# Altium PCB PCB1.PcbDoc
Units mil, origin at the board's own origin, x right, y up, seen from the top; angles counter-clockwise.
Board outline 5801.29 x 2110 mil, 2 copper layers (Top Layer, Bottom Layer); 139 components, 78 nets, 473 pads, 146 vias.
Unrouted connection lines stored in the file: 4.
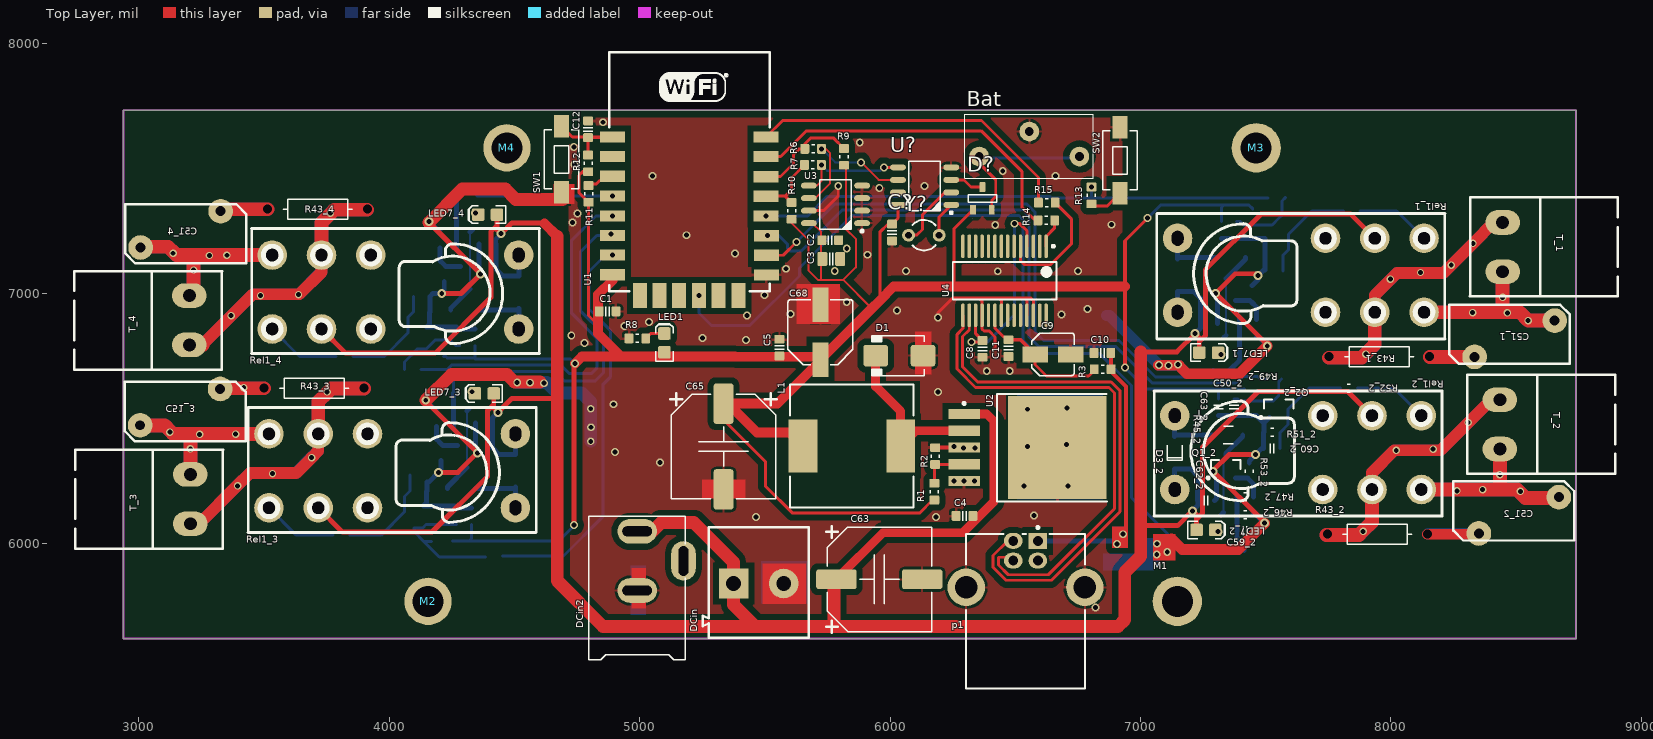
[diagram p0: Top Layer view]
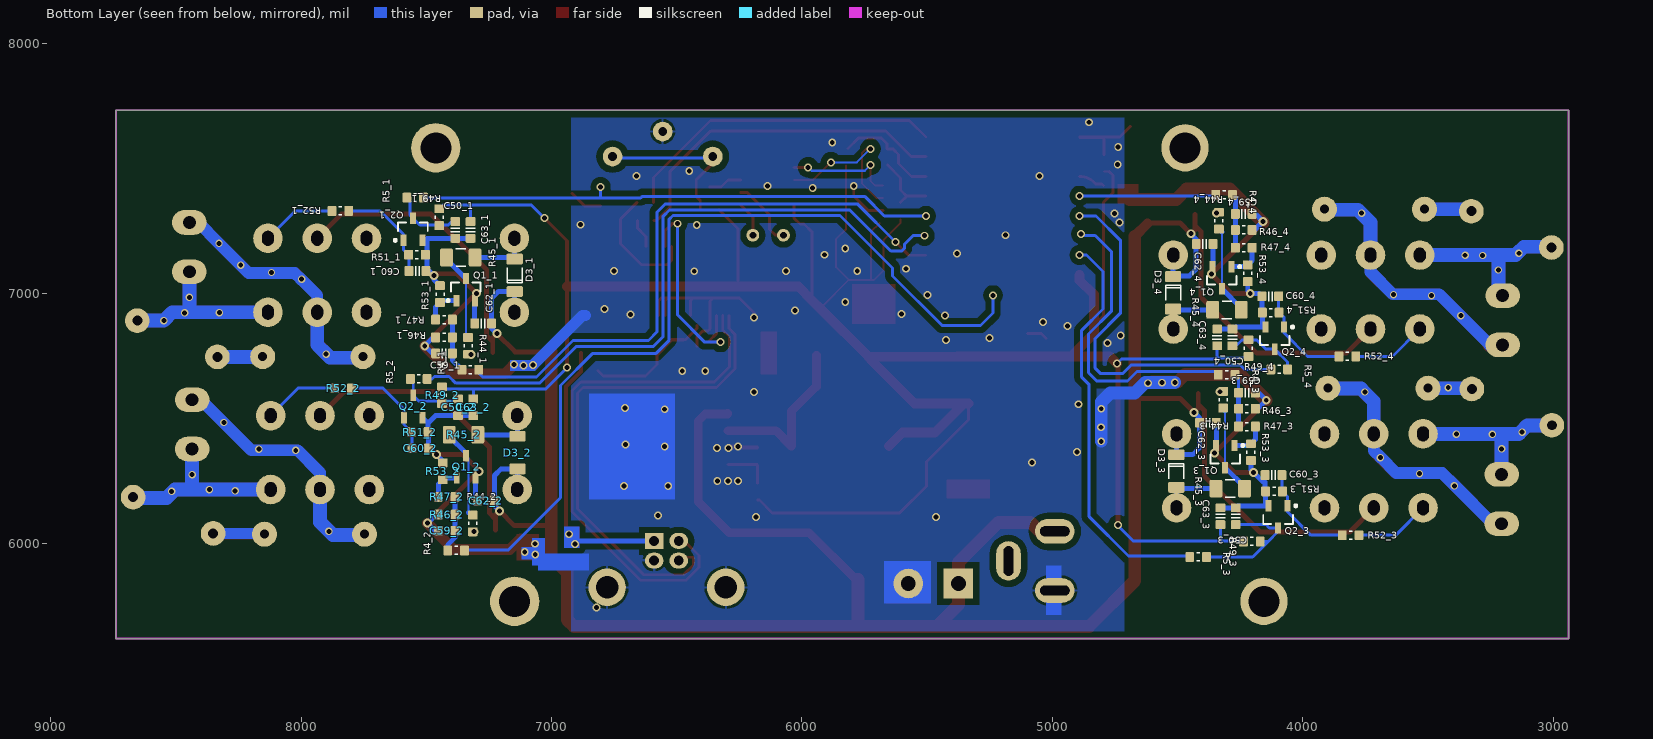
[diagram p1: Bottom Layer view, seen from below]
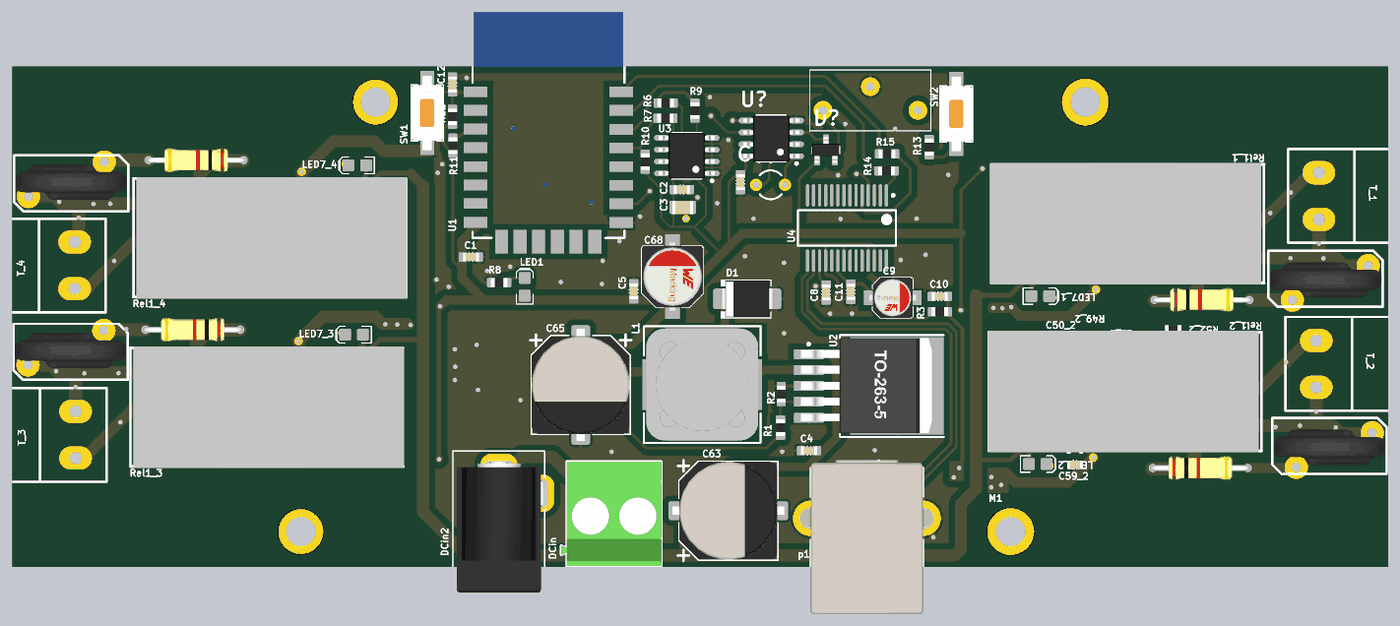
[diagram p2: 3D render of the assembled board from above, using the file's embedded part models]
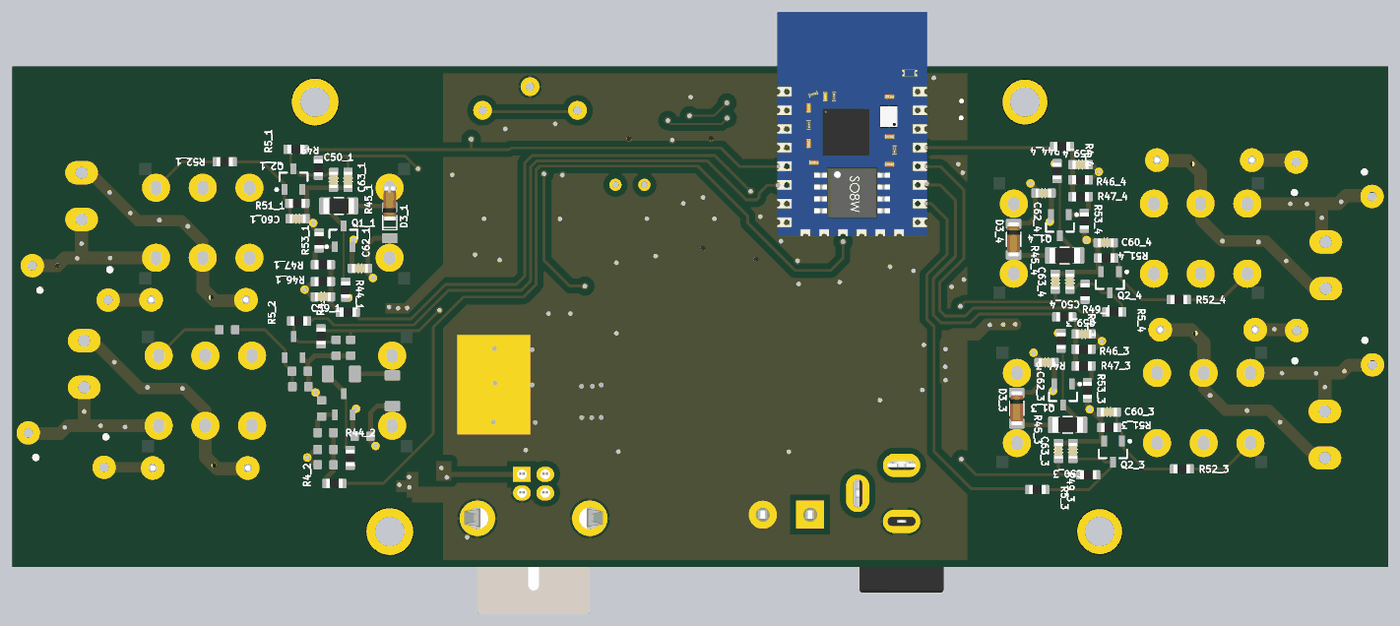
[diagram p3: 3D render of the assembled board from below, using the file's embedded part models]

## Layer stack, top to bottom
Top Solder: solder mask 0.4, Solder Resist, Dk 3.5
Top Layer: signal copper 1.4
Dielectric1: dielectric 12.6, FR-4, Dk 4.8
Bottom Layer: signal copper 1.4
Bottom Solder: solder mask 0.4, Solder Resist, Dk 3.5

## Board outline
2938,7732 8739.29,7732 8739.29,5622 2938,5622

## Design rules (kind name [scope] priority, off if disabled: settings)
Clearance [(InPolygon AND InNet('GND')) vs not InNet('GND')] p1: gap=25
Clearance Clearance_1 [All] p2: gap=10
ComponentClearance [All] p1 off: gap=8 collisioncheckmode=3 verticalgap=8 showdistances=FALSE
DiffPairsRouting [All] p1: maxlimit=10 minlimit=7.01 mostfreqgap=10 toplayer_minwidth=3.94 toplayer_maxwidth=15 toplayer_prefwidth=15 bottomlayer_minwidth=3.94 bottomlayer_maxwidth=15 bottomlayer_prefwidth=15 maxuncoupledlength=500
HoleSize [All] p1: absolutevalues=TRUE maxlimit=1181.1 minlimit=19.68 maxpercent=80.000 minpercent=20.000
Length [InNetClass('RAM')] p1: maxlimit=1472 minlimit=0
MatchedLengths MatchedLengths_1 [All] p1: tolerance=1000 checknetsindiffpair=TRUE checkdiffpairvsdiffpair=FALSE checkothers=FALSE
MatchedLengths [InNetClass('ETH')] p2: tolerance=1181.1 checknetsindiffpair=FALSE checkdiffpairvsdiffpair=TRUE checkothers=TRUE
MinimumSolderMaskSliver [All] p1: minsoldermaskwidth=0
PasteMaskExpansion [All] p1 off: expansion=0
PolygonConnect PolygonConnect_1 [All vs (IsVia OR IsTrack)] p1: connectstyle=Direct reliefconductorwidth=10 reliefentries=4 polygonreliefangle="90 Angle" airgapwidth=10
PolygonConnect [All] p2: connectstyle=Relief reliefconductorwidth=10 reliefentries=4 polygonreliefangle="90 Angle" airgapwidth=10
RoutingVias [All] p1: holewidth=20 width=30 viastyle="Through Hole" minholewidth=19.68 minwidth=30 maxholewidth=393.7 maxwidth=1181.1
SilkToSilkClearance [All] p1: silktosilkclearance=1
SilkToSolderMaskClearance [IsPad] p1: minsilkscreentomaskgap=0 clearancetoexposedcopper=TRUE
SolderMaskExpansion [All] p1 off: expansion=0
Width [All] p1: maxlimit=393.7 minlimit=5.91 preferedwidth=10 minimp=50.000000 maximp=50.000000 favimp=50.000000
22 further rules are at their usual default settings.

## Classes and differential pairs
channel class DO: U_DO1 U_DO2 U_DO3 U_DO4 U_DO5 U_DO6 U_DO7 U_DO8 U_DO9 U_DO10 U_DO11 U_DO12 U_DO13 U_DO14
component class U_DO4: C50_4 C51_4 C59_4 C60_4 C62_4 C63_4 D3_4 LED7_4 Q1_4 Q2_4 R4_4 R5_4 R43_4 R44_4 R45_4 R46_4 R47_4 R49_4 R51_4 R52_4 R53_4 Rel1_4 T_4
component class U_DO3: C50_3 C51_3 C59_3 C60_3 C62_3 C63_3 D3_3 LED7_3 Q1_3 Q2_3 R4_3 R5_3 R43_3 R44_3 R45_3 R46_3 R47_3 R49_3 R51_3 R52_3 R53_3 Rel1_3 T_3
component class U_DO2: C50_2 C51_2 C59_2 C60_2 C62_2 C63_2 D3_2 LED7_2 Q1_2 Q2_2 R4_2 R5_2 R43_2 R44_2 R45_2 R46_2 R47_2 R49_2 R51_2 R52_2 R53_2 Rel1_2 T_2
component class U_DO1: C50_1 C51_1 C59_1 C60_1 C62_1 C63_1 D3_1 LED7_1 Q1_1 Q2_1 R4_1 R5_1 R43_1 R44_1 R45_1 R46_1 R47_1 R49_1 R51_1 R52_1 R53_1 Rel1_1 T_1
component class top: Bat C1 C2 C3 C4 C5 C12 C63 C65 C68 C? D1 D? DCin DCin2 L1 LED1 M1 M2 M3 M4 R1 R2 R6 R7 R8 R9 R10 R11 R12 R13 SW1 SW2 U1 U2 U3 U? Y?
net class DO[1..4]: DO1 DO2 DO3 DO4
net class DOF[1..4]: DOF1 DOF2 DOF3 DOF4
component class U_usb2serial_ft232rl: C8 C9 C10 C11 p1 R3 R14 R15 U4
differential pair USB: +USB_P -USB_N

## Components (designator, comment, footprint, x,y, rotation, side; value= is the part's Value field where it differs from the comment)
Bat "s" bat-stand 6556,7647 r90 top
C1 "100n" CAPC1608X90N 4872,6929 r180 top
C2 "100n" CAPC1608X90N 5761,7213 r180 top
C3 "10u" CAPC2012X135N 5765,7138 r0 top
C4 "100n" CAPC1608X90N 6297,6112 r0 top
C5 "100n" CAPC1608X90N 5558,6784 r270 top
C8 "100n" CAPC1608X90N 6369,6779 r270 top
C9 "10uF" WCAP-PSLP_4x5.5 6650,6757 r180 top
C10 "1n" CAPC1608X90N 6848,6763 r0 top
C11 "100n" CAPC1608X90N 6473,6782 r90 top
C12 "100n" CAPC1608X90N 4794,7656 r270 top
C50_1 "100n" CAPC1608X90N 7384.3,7254 r90 bottom (schematic designator C50)
C50_2 "100n" CAPC1608X90N 7373.3,6546 r90 bottom (schematic designator C50)
C50_3 "100n" CAPC1608X90N 4267.7,6111 r270 bottom (schematic designator C50)
C50_4 "100n" CAPC1608X90N 4280.7,6825 r270 bottom (schematic designator C50)
C51_1 "" CAP14MM 8466.3,6846 r0 top (schematic designator C51)
C51_2 "" CAP14MM 8483.3,6141 r0 top (schematic designator C51)
C51_3 "" CAP14MM 3192.7,6520 r180 top (schematic designator C51)
C51_4 "" CAP14MM 3194.7,7230 r180 top (schematic designator C51)
C59_1 "100n" CAPC1608X90N 7429.3,6761 r180 bottom (schematic designator C59)
C59_2 "100n" CAPC1608X90N 7418.3,6053 r180 bottom (schematic designator C59)
C59_3 "100n" CAPC1608X90N 4222.7,6604 r0 bottom (schematic designator C59)
C59_4 "100n" CAPC1608X90N 4235.7,7318 r0 bottom (schematic designator C59)
C60_1 "100n" CAPC1608X90N 7535.3,7090 r0 bottom (schematic designator C60)
C60_2 "100n" CAPC1608X90N 7524.3,6382 r0 bottom (schematic designator C60)
C60_3 "100n" CAPC1608X90N 4116.7,6275 r180 bottom (schematic designator C60)
C60_4 "100n" CAPC1608X90N 4129.7,6989 r180 bottom (schematic designator C60)
C62_1 "100n" CAPC1608X90N 7273.3,6881 r180 bottom (schematic designator C62)
C62_2 "100n" CAPC1608X90N 7262.3,6173 r180 bottom (schematic designator C62)
C62_3 "100n" CAPC1608X90N 4378.7,6484 r0 bottom (schematic designator C62)
C62_4 "100n" CAPC1608X90N 4391.7,7198 r0 bottom (schematic designator C62)
C63 "470u 25v" CAP_ELEC_SIZE_G 5957,5859 r270 top
C63_1 "100n" CAPC1608X90N 7323.3,7254 r90 bottom (schematic designator C63)
C63_2 "100n" CAPC1608X90N 7312.3,6546 r90 bottom (schematic designator C63)
C63_3 "100n" CAPC1608X90N 4328.7,6111 r270 bottom (schematic designator C63)
C63_4 "100n" CAPC1608X90N 4341.7,6825 r270 bottom (schematic designator C63)
C65 "1000u 16v" CAP_ELEC_SIZE_G 5335,6389 r180 top
C68 "220u 16v" WCAP-PSLP_6.3x7.7 5722,6846 r270 top
C? "100n" CAPC1608X90N 6008,7244 r90 top
D1 "ss34" DO-214AA 6037,6752 r180 top
D3_1 "" "SOD80, LL-34" 7147.3,7073 r90 bottom (schematic designator D3)
D3_2 "" "SOD80, LL-34" 7136.3,6364.91 r90 bottom (schematic designator D3)
D3_3 "" "SOD80, LL-34" 4504.7,6291.09 r270 bottom (schematic designator D3)
D3_4 "" "SOD80, LL-34" 4517.7,7003.09 r270 bottom (schematic designator D3)
D? "Bat54c" SOT23-3 6368.72,7380 r90 top
DCin "Blue Terminal 2" 691253510002 5475,5842 r0 top
DCin2 "CONN_PWR_JACK_2.1x5.5mm" CONN_PWR_JACK_2.1x5.5mm 4990,5511 r180 top
L1 "100u" "WE-PD 1210" 5847,6391 r180 top
LED1 "red" LED-0805-K 5099,6803 r90 top
LED7_1 "LED B" LED-0805-K 7272.3,6764 r0 top (schematic designator LED7)
LED7_2 "LED B" LED-0805-K 7261.3,6056 r0 top (schematic designator LED7)
LED7_3 "LED B" LED-0805-K 4379.7,6601 r180 top (schematic designator LED7)
LED7_4 "LED B" LED-0805-K 4392.7,7315 r180 top (schematic designator LED7)
M1 "Screw" "Board Screw_No Silk"#1 7147.13,5770.98 r0 top
M2 "Screw" "Board Screw_No Silk"#2 4155,5771 r0 top
M3 "Screw" "Board Screw_No Silk"#1 7462.09,7582.01 r0 top
M4 "Screw" "Board Screw_No Silk"#2 4469.96,7582.01 r0 top
p1 "USB Connector" USB2.5-2H4E 6541,5973 r270 top
Q1_1 "" SOT-23_N#1 7342.3,7016 r90 bottom (schematic designator Q1)
Q1_2 "" SOT-23_N#2 7341.14,6308 r90 bottom (schematic designator Q1)
Q1_3 "" SOT-23_N#1 4309.7,6349 r270 bottom (schematic designator Q1)
Q1_4 "" SOT-23_N#1 4322.7,7063 r270 bottom (schematic designator Q1)
Q2_1 "" SOT-23_N#1 7553.3,7257 r90 bottom (schematic designator Q2)
Q2_2 "" SOT-23_N#2 7552.14,6549 r90 bottom (schematic designator Q2)
Q2_3 "" SOT-23_N#1 4098.7,6108 r270 bottom (schematic designator Q2)
Q2_4 "" SOT-23_N#1 4111.7,6822 r270 bottom (schematic designator Q2)
R1 "1.7" RESC1608X55N 6177,6209 r90 top
R2 "1k" RESC1608X55N 6180,6351 r90 top
R3 "FB" RESC1608X55N 6849,6698 r180 top
R4_1 "FB" RESC1608X55N 7324,6696 r0 bottom (schematic designator R4)
R4_2 "FB" RESC1608X55N 7381,5974 r0 bottom (schematic designator R4)
R4_3 "FB" RESC1608X55N 4304,6676 r180 bottom (schematic designator R4)
R4_4 "FB" RESC1608X55N 4314,7394 r180 bottom (schematic designator R4)
R5_1 "FB" RESC1608X55N 7544,7383 r0 bottom (schematic designator R5)
R5_2 "FB" RESC1608X55N 7530,6659 r0 bottom (schematic designator R5)
R5_3 "FB" RESC1608X55N 4418,5948 r180 bottom (schematic designator R5)
R5_4 "FB" RESC1608X55N 4094,6697 r180 bottom (schematic designator R5)
R6 "33" RESC1608X55N 5693,7578 r180 top
R7 "33" RESC1608X55N 5692,7514 r180 top
R8 "330" RESC1608X55N 4991,6821 r0 top
R9 "10K" RESC1608X55N 5816,7546 r270 top
R10 "10K" RESC1608X55N 5607,7330 r270 top
R11 "4.7k" RESC1608X55N 4796,7398 r90 top
R12 "4.7k" RESC1608X55N 4794,7520 r90 top
R13 "330" RESC1608X55N 6804,7392 r90 top
R14 "330" RESC1608X55N 6624,7292 r180 top
R15 "330" RESC1608X55N 6626,7363 r180 top
R43_1 "39" RESTH_AXIAL-0.4 7953.3,6748 r0 top (schematic designator R43)
R43_2 "39" RESTH_AXIAL-0.4 7946.3,6039 r0 top (schematic designator R43)
R43_3 "39" RESTH_AXIAL-0.4 3699.7,6622 r180 top (schematic designator R43)
R43_4 "39" RESTH_AXIAL-0.4 3713.7,7337 r180 top (schematic designator R43)
R44_1 "7.2k" RESC1608X55N 7333.3,6791 r90 bottom (schematic designator R44)
R44_2 "7.2k" RESC1608X55N 7314.3,6082 r90 bottom (schematic designator R44)
R44_3 "7.2k" RESC1608X55N 4317.7,6576 r270 bottom (schematic designator R44)
R44_4 "7.2k" RESC1608X55N 4334.7,7291 r270 bottom (schematic designator R44)
R45_1 "10" RESC3216X70N 7362.3,7144 r0 bottom (schematic designator R45)
R45_2 "10" RESC3216X70N 7351.3,6436 r0 bottom (schematic designator R45)
R45_3 "10" RESC3216X70N 4289.7,6221 r180 bottom (schematic designator R45)
R45_4 "10" RESC3216X70N 4302.7,6935 r180 bottom (schematic designator R45)
R46_1 "4.7k" RESC1608X55N 7429.3,6825 r180 bottom (schematic designator R46)
R46_2 "4.7k" RESC1608X55N 7418.3,6117 r180 bottom (schematic designator R46)
R46_3 "4.7k" RESC1608X55N 4222.7,6540 r0 bottom (schematic designator R46)
R46_4 "4.7k" RESC1608X55N 4235.7,7254 r0 bottom (schematic designator R46)
R47_1 "1k" RESC1608X55N 7429.3,6896 r0 bottom (schematic designator R47)
R47_2 "1k" RESC1608X55N 7418.3,6188 r0 bottom (schematic designator R47)
R47_3 "1k" RESC1608X55N 4222.7,6469 r180 bottom (schematic designator R47)
R47_4 "1k" RESC1608X55N 4235.7,7183 r180 bottom (schematic designator R47)
R49_1 "47k" RESC1608X55N 7448.3,7305 r90 bottom (schematic designator R49)
R49_2 "47k" RESC1608X55N 7437.3,6594 r90 bottom (schematic designator R49)
R49_3 "47k" RESC1608X55N 4203,6010 r0 bottom (schematic designator R49)
R49_4 "47k" RESC1608X55N 4216.7,6782 r270 bottom (schematic designator R49)
R51_1 "47k" RESC1608X55N 7537.3,7155 r0 bottom (schematic designator R51)
R51_2 "47k" RESC1608X55N 7526.3,6447 r0 bottom (schematic designator R51)
R51_3 "47k" RESC1608X55N 4114.7,6210 r180 bottom (schematic designator R51)
R51_4 "47k" RESC1608X55N 4127.7,6924 r180 bottom (schematic designator R51)
R52_1 "10k" RESC1608X55N 7843.3,7330 r180 bottom (schematic designator R52)
R52_2 "10k" RESC1608X55N 7832.3,6622 r180 bottom (schematic designator R52)
R52_3 "10k" RESC1608X55N 3808.7,6035 r0 bottom (schematic designator R52)
R52_4 "10k" RESC1608X55N 3821.7,6749 r0 bottom (schematic designator R52)
R53_1 "47k" RESC1608X55N 7445.3,6998 r270 bottom (schematic designator R53)
R53_2 "47k" RESC1608X55N 7434.3,6290 r270 bottom (schematic designator R53)
R53_3 "47k" RESC1608X55N 4206.7,6367 r90 bottom (schematic designator R53)
R53_4 "47k" RESC1608X55N 4219.7,7081 r90 bottom (schematic designator R53)
Rel1_1 "G2R-2" relay_G2R_2 7640.3,7073 r270 top (schematic designator Rel1)
Rel1_2 "G2R-2" relay_G2R_2 7629.3,6365 r270 top (schematic designator Rel1)
Rel1_3 "G2R-2" relay_G2R_2 4011.7,6292 r90 top (schematic designator Rel1)
Rel1_4 "G2R-2" relay_G2R_2 4024.7,7006 r90 top (schematic designator Rel1)
SW1 "" 434111043826 4688,7536 r270 top
SW2 "" 434111043826 6918,7532 r90 top
T_1 "Phoenix terminal 2 pin" "phoenix terminal 2" 8906.3,6989 r90 top (schematic designator T)
T_2 "Phoenix terminal 2 pin" "phoenix terminal 2" 8895.3,6281 r90 top (schematic designator T)
T_3 "Phoenix terminal 2 pin" "phoenix terminal 2" 2745.7,6376 r270 top (schematic designator T)
T_4 "Phoenix terminal 2 pin" "phoenix terminal 2" 2741.7,7090 r270 top (schematic designator T)
U1 "ESP8266 ESP-12-E" "ESP8266 ESP-12-E" 5196,7420 r0 top
U2 "LM2576" "LM2576 SMd" 6296,6518.93 r270 top
U3 "at24c512" SOIC127P600X175-8AN 5782,7356 r180 top
U4 "FT232RL-Reel" SSOP-28_M 6457,7051 r270 top
U? "DS1307" SOIC127P600X175-8AN 6138,7429 r180 top
Y? "XTAL" R38 6135,7233 r90 top

## Footprints (in the part's own frame and the unit in brackets; to place one, negate y for a bottom-side part, rotate by r counter-clockwise, add the part's x,y. Pads: shape width x height; smd on the part's side, far side on the other; paste and mask are expansions set on the pad)
434111043826 [mm] "6.0*3.5mm vertical type, SMD, height 4.3mm, white actuator, 260gf, T&R"
  rect 2.3x1.5 smd: 1(-3.35,0) 2(3.35,0)
  silkscreen extent -3,-1.75 3,1.75, body extent -4,-1.75 4,1.75, height 4.3
691253510002 [mm] "Serie 2535 - 5.08 mm _ 2 pins"
  rect 3x3 hole 1.5: 1(-2.54,0)
  round 3 hole 1.5: 2(2.54,0)
  silkscreen extent -5.66,-5.5 5.08,5.7, body extent -5.66,-5.5 5.1,5.7, height 18.1
bat-stand [mm]
  round 2 hole 0.9: 1(0,0) 2(-2.54,5.08) 2(-2.54,-5.08)
  silkscreen extent -4.72,-6.48 1.78,6.52
"Board Screw_No Silk"#1 [mm]
  round 5 hole 3.15 mask+0.1: S(0,0)
"Board Screw_No Silk"#2 [mm]
  round 4.8 hole 3.15 mask+0.1: S(0,0)
CAP14MM [mm]
  round 2.5 hole 1: 1(-3.353,-2.515) 2(4.768,1.168)
  silkscreen extent -5.93,-3.23 6.32,2.77, body extent -5.8,-2.26 6.2,1.55, height 13
CAP_ELEC_SIZE_G [mm] "Capacitor, polarized, aluminum can; 10.0x10.2mm DxH"
  round 0.635 on Mech15: 0(0,0)
  rrect25% 2x4.1 smd: 1(0,-4.35) 2(0,4.35)
  silkscreen extent -5.4,-5.4 5.4,5.3, body extent -5.25,-6 5.25,6, height 10.5
CAPC1608X90N [mm] "Chip Capacitor, Body 1.6x0.8mm, EIA 0603, IPC Medium Density"
  round 0.254 on Mech15: 0(0,0)
  rrect25% 0.9x1 smd: 1(-0.85,0) 2(0.85,0)
  Top Layer pour cut-out: -0.6,0.5 -0.4,0.7 0.4,0.7 0.6,0.5 0.6,-0.5 0.4,-0.7 -0.4,-0.7 -0.6,-0.5
  silkscreen extent -0.18,-0.48 0.18,0.48, body extent -0.85,-0.45 0.85,0.45, height 0.89
CAPC2012X135N [mm] "Chip Capacitor, Body 2.0x1.2mm, EIA 0805, IPC Medium Density"
  round 0.254 on Mech15: 0(0,0)
  rrect25% 1x1.4 smd: 1(-0.9,0) 2(0.9,0)
  Top Layer pour cut-out: -0.675,0.7 -0.475,0.9 0.475,0.9 0.675,0.7 0.675,-0.7 0.475,-0.9 -0.475,-0.9 -0.675,-0.7
  silkscreen extent -0.15,-0.65 0.15,0.65, body extent -1.1,-0.72 1.1,0.73, height 1.34
CONN_PWR_JACK_2.1x5.5mm [mm] "Power Connector, 2.1mm ID, 5.5mm OD"
  oval 4x2.5 hole 1 slot 3 at 0 deg: 1(0,-13.7) 2(0,-7.7)
  oval 2.5x4 hole 1 slot 3 at 90 deg: 3(-4.7,-10.7)
  silkscreen extent -4.9,-15.22 4.92,-0.7, body extent -4.9,-14.1 4.5,0, height 11
DO-214AA [mm] "JEDEC DO214 variation AA. SMB"
  round 0.508 on Mech15: 0(0,0)
  rrect25% 2.5x2.2 smd: A(-2.4,0) K(2.4,0)
  silkscreen extent -2.54,-2.03 2.79,2.03, body extent -2.8,-1.97 2.8,1.98, height 2.62
"ESP8266 ESP-12-E" [mil] "ESP8266 ESP-12-E"
  rect 100x45 smd: 1(-305,205) 2(-305,127) 3(-305,48) 4(-305,-30) 5(-305,-110) 6(-305,-188) 7(-305,-266) 8(-305,-345) 15(310,-346) 16(310,-267) 17(310,-189) 18(309,-110) 19(309,-31) 20(309,47) 21(309,127) 22(309,205)
  rect 55x100 smd: 9(-195,-427) 10(-117,-427) 11(-39,-427) 12(41,-427) 13(119,-427) 14(199,-427)
  silkscreen extent -317,-411 323,544, body extent -313,-404 317,540, height 86
LED-0805-K [mil]
  round 20 on Mech15: 0(0,0)
  rrect25% 50x50 smd: A(-37.5,0) K(37.5,0)
  Top Layer pour cut-out: -15,30 15,30 15,-30 -15,-30
  silkscreen extent -72,-35 77,35, body extent -39,-25 39,25, height 31
"LM2576 SMd" [mm]
  rect 1.05x3.2 smd: 1(0,0) 2(1.7,0) 3(3.4,0) 4(5.1,0) 5(6.8,0)
  rect 10.45x10 smd: 3(3.4,9.45)
  silkscreen extent -2.04,-0.12 8.85,14.47, body extent -1.7,-0.83 8.46,13.18, height 4.56
"phoenix terminal 2" [mm] "2 terminals"
  oval 2.5x3.5 hole 1.3: 1(2.493,11.684) 2(7.493,11.684)
  silkscreen extent 0,0 10.03,15
R38 [mm] "Crystal, Thru-Hole; 2 Leads; Body 3.1 x 8.2 mm (Dia.xH)"
  round 1.3 hole 0.7: 1(0,1.55) 2(0,-1.55)
  silkscreen extent -1.55,-1.19 1.55,1.17
relay_G2R_2 [mm]
  round 3 hole 1.2 slot 1.5 at 0 deg: 1(3.75,-12.5) 2(-3.75,-12.5) 3(-3.75,7.5) 4(3.75,7.5) 5(-3.75,12.5) 6(-3.75,2.5) 7(3.75,12.5) 8(3.75,2.5)
  silkscreen extent -6.25,-14.6 6.45,14.6, body extent -6.41,-14.7 6.59,14.3, height 4
RESC1608X55N [mm] "Chip Resistor, Body 1.6x0.8mm, EIA 0603, IPC Medium Density"
  round 0.254 on Mech15: 0(0,0)
  rrect25% 0.9x1 smd: 1(-0.85,0) 2(0.85,0)
  Top Layer pour cut-out: -0.6,0.5 -0.4,0.7 0.4,0.7 0.6,0.5 0.6,-0.5 0.4,-0.7 -0.4,-0.7 -0.6,-0.5
  silkscreen extent -0.15,-0.41 0.15,0.41, body extent -0.87,-0.47 0.88,0.48, height 0.54
RESC3216X70N [mm] "Chip Resistor, Body 3.2x1.6mm, EIA 1206, IPC Medium Density"
  round 0.508 on Mech15: 0(0,0)
  rrect25% 1.3x1.8 smd: 1(-1.45,0) 2(1.45,0)
  silkscreen extent -0.51,-0.89 0.51,0.89, body extent -1.62,-0.82 1.63,0.83, height 0.69
RESTH_AXIAL-0.4 [mil]
  round 0 / inner round 0 / far side round 100 hole 36 unplated: 1(-200,0) 2(200,0)
  silkscreen extent -138,-40 138,40, body extent -212,-50 212,50, height 102
"SOD80, LL-34" [mm] "Diode, MiniMELF"
  round 0.5 on Mech15: 0(0,0)
  rrect25% 1.1x1.65 smd: A(1.65,0) K(-1.65,0)
  silkscreen extent -0.76,-0.76 0.76,0.76, body extent 0.26,-0.75 3.86,0.75, height 1.47
SOIC127P600X175-8AN [mm] "SOIC, 8-Leads, Body 4.9x3.9mm, Pitch 1.27mm, IPC Medium Density"
  round 1 on Mech15: 0(0,0)
  oval 1.6x0.6 smd: 1(-2.7,1.905) 2(-2.7,0.635) 3(-2.7,-0.635) 4(-2.7,-1.905) 5(2.7,-1.905) 6(2.7,-0.635) 7(2.7,0.635) 8(2.7,1.905)
  silkscreen extent -2.83,-2.5 1.6,2.82, body extent -3,-2.45 3,2.45, height 1.75
SOT23-3 [mm] "SOT23, 3 pin"
  round 0.5 on Mech15: 0(0,0)
  rrect25% 1x0.6 smd: 1(-1.15,0.95) 2(-1.15,-0.95) 3(1.15,0)
  silkscreen extent -0.38,-1.45 0.38,1.45, body extent -1.4,-1.45 1.4,1.45, height 1.29
SOT-23_N#1 [mm] "SOT23, 3-Leads, Body 2.9x1.3mm, Pitch 0.95mm, Lead Span 2.5mm, IPC Medium Density"
  rect 1.15x0.6 smd: 1(-1.125,0.95) 2(-1.125,-0.95) 3(1.125,0)
  silkscreen extent -1.25,-1.5 0.7,1.93, body extent -0.7,-1.5 0.7,1.5, height 1.1
SOT-23_N#2 [mm] "SOT23, 3-Leads, Body 2.9x1.3mm, Pitch 0.95mm, Lead Span 2.5mm, IPC Medium Density"
  rect 1.15x0.6 smd: 1(-1.125,-0.95) 2(-1.125,0.95) 3(1.125,0)
  body extent -0.7,-1.5 0.7,1.5, height 1.1
SSOP-28_M [mm] "SOP, 28-Leads, Body 10.2x5.3mm, Pitch 0.65mm, IPC Low Density"
  oval 2.4x0.35 smd: 1(-3.5,4.225) 2(-3.5,3.575) 3(-3.5,2.925) 4(-3.5,2.275) 5(-3.5,1.625) 6(-3.5,0.975) 7(-3.5,0.325) 8(-3.5,-0.325) 9(-3.5,-0.975) 10(-3.5,-1.625) 11(-3.5,-2.275) 12(-3.5,-2.925) 13(-3.5,-3.575) 14(-3.5,-4.225) 15(3.5,-4.225) 16(3.5,-3.575) 17(3.5,-2.925) 18(3.5,-2.275) 19(3.5,-1.625) 20(3.5,-0.975) 21(3.5,-0.325) 22(3.5,0.325) 23(3.5,0.975) 24(3.5,1.625) 25(3.5,2.275) 26(3.5,2.925) 27(3.5,3.575) 28(3.5,4.225)
  silkscreen extent -3.62,-5.25 1.9,5.25, body extent -2.8,-5.25 2.8,5.25, height 2